# KiCad board shield.kicad_pcb
title: MUREX SHIELD; date: 2024-10-13; rev: V1.0; company: MUREX Robotics [Max Liu]; note: > 30A @12V DC; note: 3-65V Automotive Highside Power Protection Board with B2B IRF3077PbF NMOS
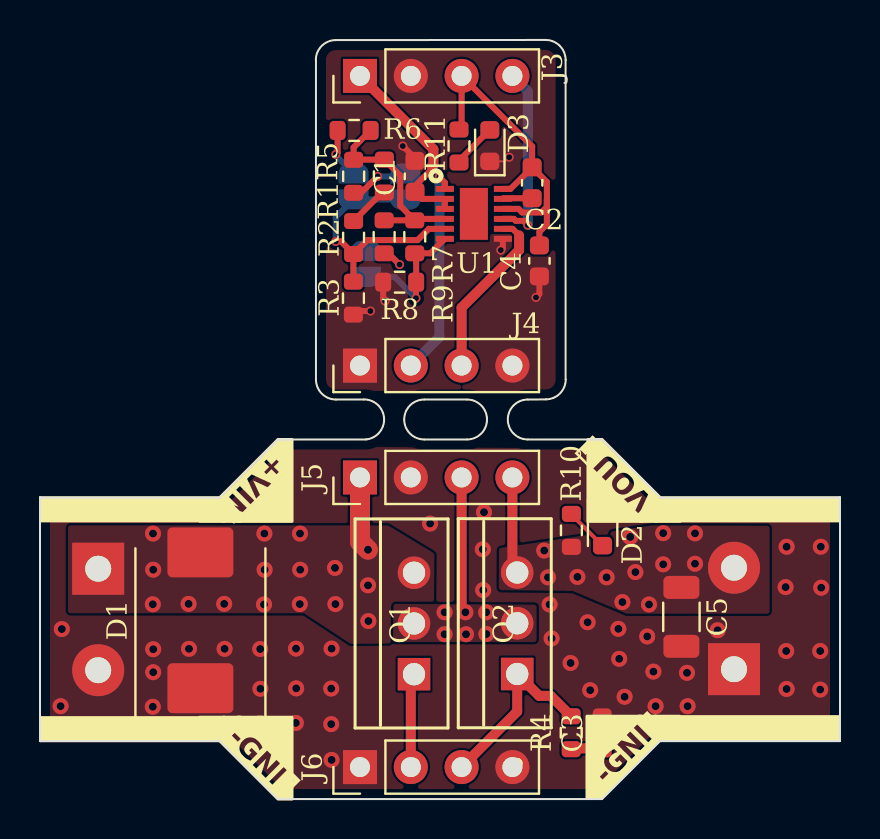
[diagram p0: board, top side]
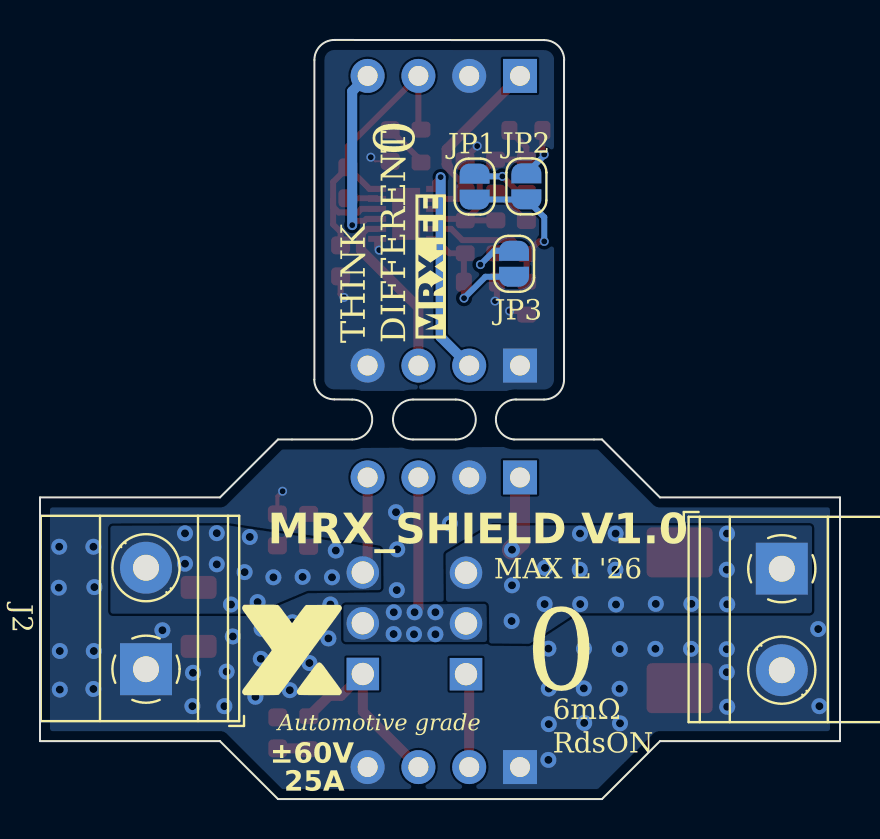
[diagram p1: board, bottom side, seen from below]

Outline 40 x 38 mm; copper layers: Top, Bottom. Coordinates in mm from the lower left corner of the outline.
Outline path: 13.79,36.99 arc(14.08,37.7) 14.79,37.99 25.28,38 arc(25.99,37.71) 26.28,37 26.28,21.01 ; 13.8,36.99 13.8,21 arc(14.09,20.29) 14.8,20 16.2,20 ; 16.2,20 arc(17.2,19.05) 16.3,18 11.9,18 9,15.1 0,15.1 0,2.9 9,2.9 11.9,0 28.1,0 31,2.9 40,2.9 40,15.1 31,15.1 28.1,18 24.39,18 arc(23.39,19) 24.39,20 25.29,20.01 arc(25.99,20.3) 26.29,21.01 ; 19.21,20 21.35,20 arc(22.35,19) 21.35,18 19.21,18 arc(18.21,19) 19.21,20
Stack: Top 0.035mm / dielectric 1.51mm FR4 er 4.5 / Bottom 0.035mm

## Placement (name value [footprint] x y rotation side)
C1  100nF  [C_0603_1608Metric]  18.75 31.17 90 top
C2  100nF  [C_0603_1608Metric]  24.61 30.85 270 top
C3  10nF  [C_0603_1608Metric]  28.11 3.31 90 top
C4  100nF  [C_0603_1608Metric]  24.97 26.94 270 top
C5  47uF  [C_1206_3216Metric]  32.07 9.12 270 top
D1  SMDJ36A  [D_SMC]  8.02 8.95 90 top
D2  LED  [LED_0603_1608Metric]  28.13 13.47 270 top
D3  LED  [LED_0603_1608Metric]  22.49 32.71 90 top
G***  LOGO  [10x10mm_Branding]  27.43 7.52 180 bottom
J1  Screw_Terminal_01x02  [TerminalBlock_Phoenix_MKDS-1,5-2-5.08_1x02_P5.08mm_Horizontal]  2.91 11.53 270 bottom
J2  Screw_Terminal_01x02  [TerminalBlock_Phoenix_MKDS-1,5-2-5.08_1x02_P5.08mm_Horizontal]  34.7 6.5 90 bottom
J3  IC Side 1  [PinHeader_1x04_P2.54mm_Vertical]  16 36.2 90 top
J4  IC Side 2  [PinHeader_1x04_P2.54mm_Vertical]  16 21.7 90 top
J5  Power Side 1  [PinHeader_1x04_P2.54mm_Vertical]  16 16.1 90 top
J6  Power Side 2  [PinHeader_1x04_P2.54mm_Vertical]  16 1.6 90 top
JP1  SolderJumper_2_Open  [SolderJumper-2_P1.3mm_Open_RoundedPad1.0x1.5mm]  18.27 30.66 270 bottom
JP2  SolderJumper_2_Open  [SolderJumper-2_P1.3mm_Open_RoundedPad1.0x1.5mm]  15.68 30.67 270 bottom
JP3  SolderJumper_2_Open  [SolderJumper-2_P1.3mm_Open_RoundedPad1.0x1.5mm]  16.3 26.8 270 bottom
Q1  IRFB3077PbF  [PG-TO220-3_INF]  18.7 6.25 90 top
Q2  IRFB3077PbF  [PG-TO220-3_INF]  23.86 6.26 90 top
R1  22k  [R_0603_1608Metric]  17.22 31.19 270 top
R2  22k  [R_0603_1608Metric]  15.68 28.11 270 top
R3  3.3k  [R_0603_1608Metric]  15.67 25.08 270 top
R4  100k  [R_0603_1608Metric]  26.56 3.32 90 top
R5  220k  [R_0603_1608Metric]  15.68 31.17 270 top
R6  82k  [R_0603_1608Metric]  15.71 33.47 180 top
R7  18k  [R_0603_1608Metric]  18.74 28.14 270 top
R8  3.3k  [R_0603_1608Metric]  17.98 25.88 180 top
R9  82k  [R_0603_1608Metric]  17.21 28.14 270 top
R10  3.3k  [R_0603_1608Metric]  26.57 13.45 90 top
R11  3.3k  [R_0603_1608Metric]  20.95 32.69 270 top
U1  LM74810QDRRRQ1  [SON50P300X300X80-13N-D]  21.69 29.29 0 top

## Library data of the parts
C1-C5 = -: Description: Unpolarized capacitor, small symbol; ki_fp_filters: C_*
D1 = -: Description: Bidirectional transient-voltage-suppression diode, filled shape; ki_fp_filters: TO-???* *_Diode_* *SingleDiode* D_*
D2 D3 = -: Description: Light emitting diode, small symbol; ki_fp_filters: LED* LED_SMD:* LED_THT:*
J1 J2 = -: Description: Generic screw terminal, single row, 01x02, script generated (kicad-library-utils/schlib/autogen/connector/); ki_fp_filters: TerminalBlock*:*
J3-J6 = -: Description: Generic connector, single row, 01x04, script generated (kicad-library-utils/schlib/autogen/connector/); ki_fp_filters: Connector*:*_1x??_*
JP1-JP3 = -: Description: Solder Jumper, 2-pole, open; ki_fp_filters: SolderJumper*Open*
Q1 Q2 = -: Description: N-MOSFET transistor, gate/drain/source
R1-R11 = -: Description: Resistor, small symbol; ki_fp_filters: R_*
U1 = -: Datasheet: https://www.ti.com/lit/ds/symlink/lm7481-q1.pdf?ts=1623392902286&ref_url=https%253A%252F%252Fwww.ti.com%252Fproduct%252FLM7481-Q1%253FkeyMatch%253DLM74810QDRRRQ1%2526tisearch%253Dsearch-everything%2526usecase%253DOPN; Description: Power Management Specialised - PMIC Automotive ideal diode controller with active rectification driving B2B NFETs; Height: 0.8; Manufacturer_Name: Texas Instruments; Mouser Part Number: 595-LM74810QDRRRQ1; Mouser Price/Stock: https://www.mouser.co.uk/ProductDetail/Texas-Instruments/LM74810QDRRRQ1?qs=KUoIvG%2F9IlZgYO4cz5Fhzw%3D%3D; Arrow Price/Stock: null?region=nac

## Footprints (pads in the part's own frame, mm; a bottom-side part is the same pattern mirrored in y, then rotated)
C_0603_1608Metric
  rrect 0.9x0.95 smd: 1(-0.775,0) 2(0.775,0)
C_1206_3216Metric
  rrect 1.15x1.8 smd: 1(-1.475,0) 2(1.475,0)
D_SMC
  rrect 2.5x3.3 smd: 1(-3.4,0) 2(3.4,0)
LED_0603_1608Metric
  rrect 0.875x0.95 smd: 1(-0.787,0) 2(0.787,0)
PG-TO220-3_INF
  rect 1.626x1.626 hole 1.118: 1(0,0)
  round 1.626 hole 1.118: 2(2.54,0) 3(5.08,0)
PinHeader_1x04_P2.54mm_Vertical
  rect 1.7x1.7 hole 1: 1(0,0)
  oval 1.7x1.7 hole 1: 2(0,-2.54) 3(0,-5.08) 4(0,-7.62)
R_0603_1608Metric
  rrect 0.8x0.95 smd: 1(-0.825,0) 2(0.825,0)
SolderJumper-2_P1.3mm_Open_RoundedPad1.0x1.5mm
  custom 1x1.5 smd: 1(-0.65,0) 2(0.65,0)
SON50P300X300X80-13N-D
  rect 0.9x0.3 smd: 1(-1.45,1.25) 2(-1.45,0.75) 3(-1.45,0.25) 4(-1.45,-0.25) 5(-1.45,-0.75) 6(-1.45,-1.25) 7(1.45,-1.25) 8(1.45,-0.75) 9(1.45,-0.25) 10(1.45,0.25) 11(1.45,0.75) 12(1.45,1.25)
  rect 1.4x2.6 smd: 13(0,0)
TerminalBlock_Phoenix_MKDS-1,5-2-5.08_1x02_P5.08mm_Horizontal
  rect 2.6x2.6 hole 1.3: 1(0,0)
  round 2.6 hole 1.3: 2(5.08,0)

## Nets
GND: C1.2 C3.2 C4.2 C5.2 D1.1 D2.1 D3.1 J1.2 J2.1 J3.2 J4.1 J4.4 J5.2 J6.1 J6.4 R3.2 R8.2 U1.7
VCC: C1.1 D1.2 J1.1 J3.1 J5.1 Q1.3 U1.2 U1.3
VCC_PROTECTED: C5.1 J2.2 J3.4 J5.4 Q2.3 R10.1 U1.9
/C: C2.1 C4.1 J3.3 J5.3 Q1.2 Q2.2 R11.1 U1.10 U1.12
/CAP: C2.2 U1.11
/DGATE: J4.2 J6.2 Q1.1 U1.1
/EN/UVLO: JP3.2 R7.2 R8.1 U1.6
/HGATE: J4.3 J6.3 Q2.1 R4.2 U1.8
/OV: JP1.2 JP2.2 R2.2 R3.1 U1.5
/SW: R1.1 R5.1 R6.1 R7.1 R9.1 U1.4
Net-(C3-Pad1): C3.1 R4.1
Net-(D2-A): D2.2 R10.2
Net-(D3-A): D3.2 R11.2
Net-(JP1-A): JP1.1 R5.2
Net-(JP2-A): JP2.1 R6.2
Net-(JP3-A): JP3.1 R9.2
Net-(R1-Pad2): R1.2 R2.1

Pads without a net: U1 13

## Via types
v1: diameter 0.8, hole 0.4, Top to Bottom, 77 vias
v2: diameter 0.45, hole 0.3, Top to Bottom, 14 vias

## Routing (per net, layer and track width the routed paths; a pad name or vN(x,y) marks a point on that pad's centre or on a via; arc(x,y) is an arc through that point)
GND: length 7
  Top w0.09: D3.1 23.25,31.92 v2(23.46,32.13)
  Top w0.199: v2(27.87,15.41) 28.13,15.15 D2.1
  Top w0.3: v2(18.14,32.69) 18.75,32.08 C1.2 ; C4.2 24.97,25.28 v2(24.8,25.11) ; R3.2 15.85,24.43 v2(16.52,24.43) ; R8.2 17.16,25.02 v2(17.25,24.93) ; U1.7 23.14,27.58 v2(23.04,27.48)
  vias: v1(1.03,4.65) v1(1.09,8.51) v1(5.66,7.5) v1(5.66,6.35) v1(5.64,4.62) v1(7.45,7.52) v1(9.23,7.52) v1(11.01,7.51) v1(11.02,5.52) v1(11,3.79) v1(12.8,7.53) v1(12.81,5.54) v1(12.79,3.81) v1(14.56,5.53) v1(14.56,3.75) v1(14.58,7.53) v1(14.58,1.96) v1(19.51,13.79) v1(22.14,12.5) v1(22.16,10.46) v1(22.2,14.36) v1(25.48,9.74) v1(25.58,8.04) v1(26.53,6.81) v1(27.38,8.85) v1(27.51,5.45) v1(28.92,8.52) v1(28.96,7.02) v1(29.23,5.12) v1(30.36,8.14) v1(30.67,6.38) v1(30.78,4.65) v1(32.35,6.32) v1(32.38,4.65) v1(33.88,8.45) v1(37.33,12.63) v1(37.28,10.61) v1(37.31,7.41) v1(37.33,5.51) v1(39.04,12.63) v1(39.06,10.58) v1(39.01,7.41) v1(39.01,5.48)
VCC: length 13.6
  Top w0.3: U1.3 U1.2 19.1,30.04 C1.1 18.75,30.69 19.58,31.53 19.58,31.67
  Top w0.5: 19.58,31.67 19.67,31.76 19.67,32.53 J3.1
  Top w1: J5.1 16,12.88 v1(16.4,12.48)
  vias: v1(5.65,13.29) v1(5.66,11.48) v1(5.64,9.75) v1(7.43,9.77) v1(9.21,9.77) v1(11.22,13.29) v1(11.23,11.48) v1(11.2,9.74) v1(13,13.29) v1(13.01,11.48) v1(12.99,9.76) v1(14.75,11.57) v1(14.77,9.76) v1(16.4,10.7) v1(16.42,8.91)
VCC_PROTECTED: length 14
  Top w0.3: v2(24.39,28.73) 24.18,28.95 23.78,28.95 23.68,29.04 U1.9
  Top w0.5: J5.4 23.62,11.58 Q2.3
  Bottom w0.5: J3.4 24.39,35.43 v2(24.39,28.73)
  vias: v1(25.21,12.44) v1(25.4,11.1) v1(26.87,11.12) v1(28.33,11.1) v1(29.12,9.86) v1(29.51,13.12) v1(29.77,11.36) v1(30.45,9.74) v1(31.16,13.31) v1(31.16,11.75) v1(32.75,13.3) v1(32.75,11.78)
/C: length 24.7
  Top w0.3: C2.1 25.34,30.89 25.34,28.76 24.97,28.39 C4.1 ; C2.1 24.61,32.67 J3.3 21.08,33.64 R11.1 ; C2.1 23.53,30.54 U1.12 ; 25.34,30.03 25.34,29.64 25.07,29.36 24.11,29.36 23.93,29.54 U1.10
  Top w0.5: v1(21.27,9.35) 21.08,9.54 J5.3
  vias: v1(20.23,9.35) v1(20.23,8.25) v1(21.3,8.25) v1(22.31,9.35) v1(22.32,8.26)
/CAP: length 1.5
  Top w0.3: U1.11 23.18,30.08 C2.2
/DGATE: length 15.4
  Top w0.3: v2(19.97,31.14) 20.24,30.86 U1.1
  Top w0.5: Q1.1 18.54,6.09 J6.2
  Bottom w0.5: J4.2 19.97,23.13 v2(19.97,31.14)
/EN/UVLO: length 7
  Top w0.3: U1.6 19.52,27.32 R7.2 18.81,27.25 R8.1 18.8,25.86 v2(18.8,25.08)
  Bottom w0.3: v2(18.8,25.08) 17.73,26.14 JP3.2
/HGATE: length 18
  Top w0.3: 23.95,28.22 23.63,28.54 U1.8
  Top w0.5: 23.95,28.22 23.95,27.47 21.08,24.6 J4.3 ; J6.3 23.86,4.38 Q2.1 24.96,5.17 25.54,5.17 R4.2
/OV: length 12.7
  Top w0.3: R2.2 15.05,27.92 v2(14.79,27.92) ; R2.2 15.67,27.28 R3.1 ; R2.2 16.38,27.98 18.88,27.98 19.44,28.54 U1.5
  Bottom w0.3: v2(14.79,27.92) 14.79,29.13 JP2.2 15.69,30.01 JP1.2
/SW: length 10.1
  Top w0.3: U1.4 18.81,29.04 R7.1 ; R6.1 15.68,32.62 R5.1 15.69,32.01 R1.1 18.01,31.22 18.01,29.7 R7.1 ; R7.1 R9.1
Net-(C3-Pad1): length 1.6
  Top w0.5: C3.1 26.6,2.53 R4.1
Net-(D2-A): length 2.2
  Top w0.199: D2.2 26.57,14.25 R10.2
Net-(D3-A): length 2.2
  Top w0.3: 20.95,31.96 D3.2
Net-(JP1-A): length 3
  Top w0.3: R5.2 16.06,30.35 v2(16.88,31.17)
  Bottom w0.3: v2(16.88,31.17) 18.13,31.17 JP1.1
Net-(JP2-A): length 2.6
  Top w0.3: v2(14.79,32.27) 14.88,32.36 R6.2
  Bottom w0.3: JP2.1 14.79,32.21 v2(14.79,32.27)
Net-(JP3-A): length 3
  Top w0.3: v2(17.98,26.75) 17.41,27.32 R9.2
  Bottom w0.3: v2(17.98,26.75) 17.29,27.45 JP3.1
Net-(R1-Pad2): length 2.1
  Top w0.3: R2.1 17.11,30.36 R1.2

## Copper pours and planes (outline as drawn; the poured copper is in the pictures)
GND on Top, Bottom: -6.2,42.1 -6.9,-1.4 44.5,-1.3 45.3,42.5
VCC on Top, Bottom: 1.4,9.3 13.2,9.3 15.53,7.77 19.68,7.81 19.72,12.29 17.4,13.7 1.4,13.7
VCC_PROTECTED on Top, Bottom: 36.48,9.28 29.33,9.28 26.63,10.42 22.94,10.46 22.95,12.56 30.6,13.7 36.48,13.68
/C on Top, Bottom: 17.67,9.77 24.83,9.73 24.83,7.86 17.65,7.86

## Text on the board
B.Silkscreen: Automotive grade | 6mΩ / RdsON | MAX L '26 | 25A | ±60V | THINK / DIFFERENT | MRX.EE | MRX_SHIELD V1.0 | 0
F.Silkscreen: +VIN | -GND | VOUT
